# KiCad board ZSWatch-panelized.kicad_pcb (continued)
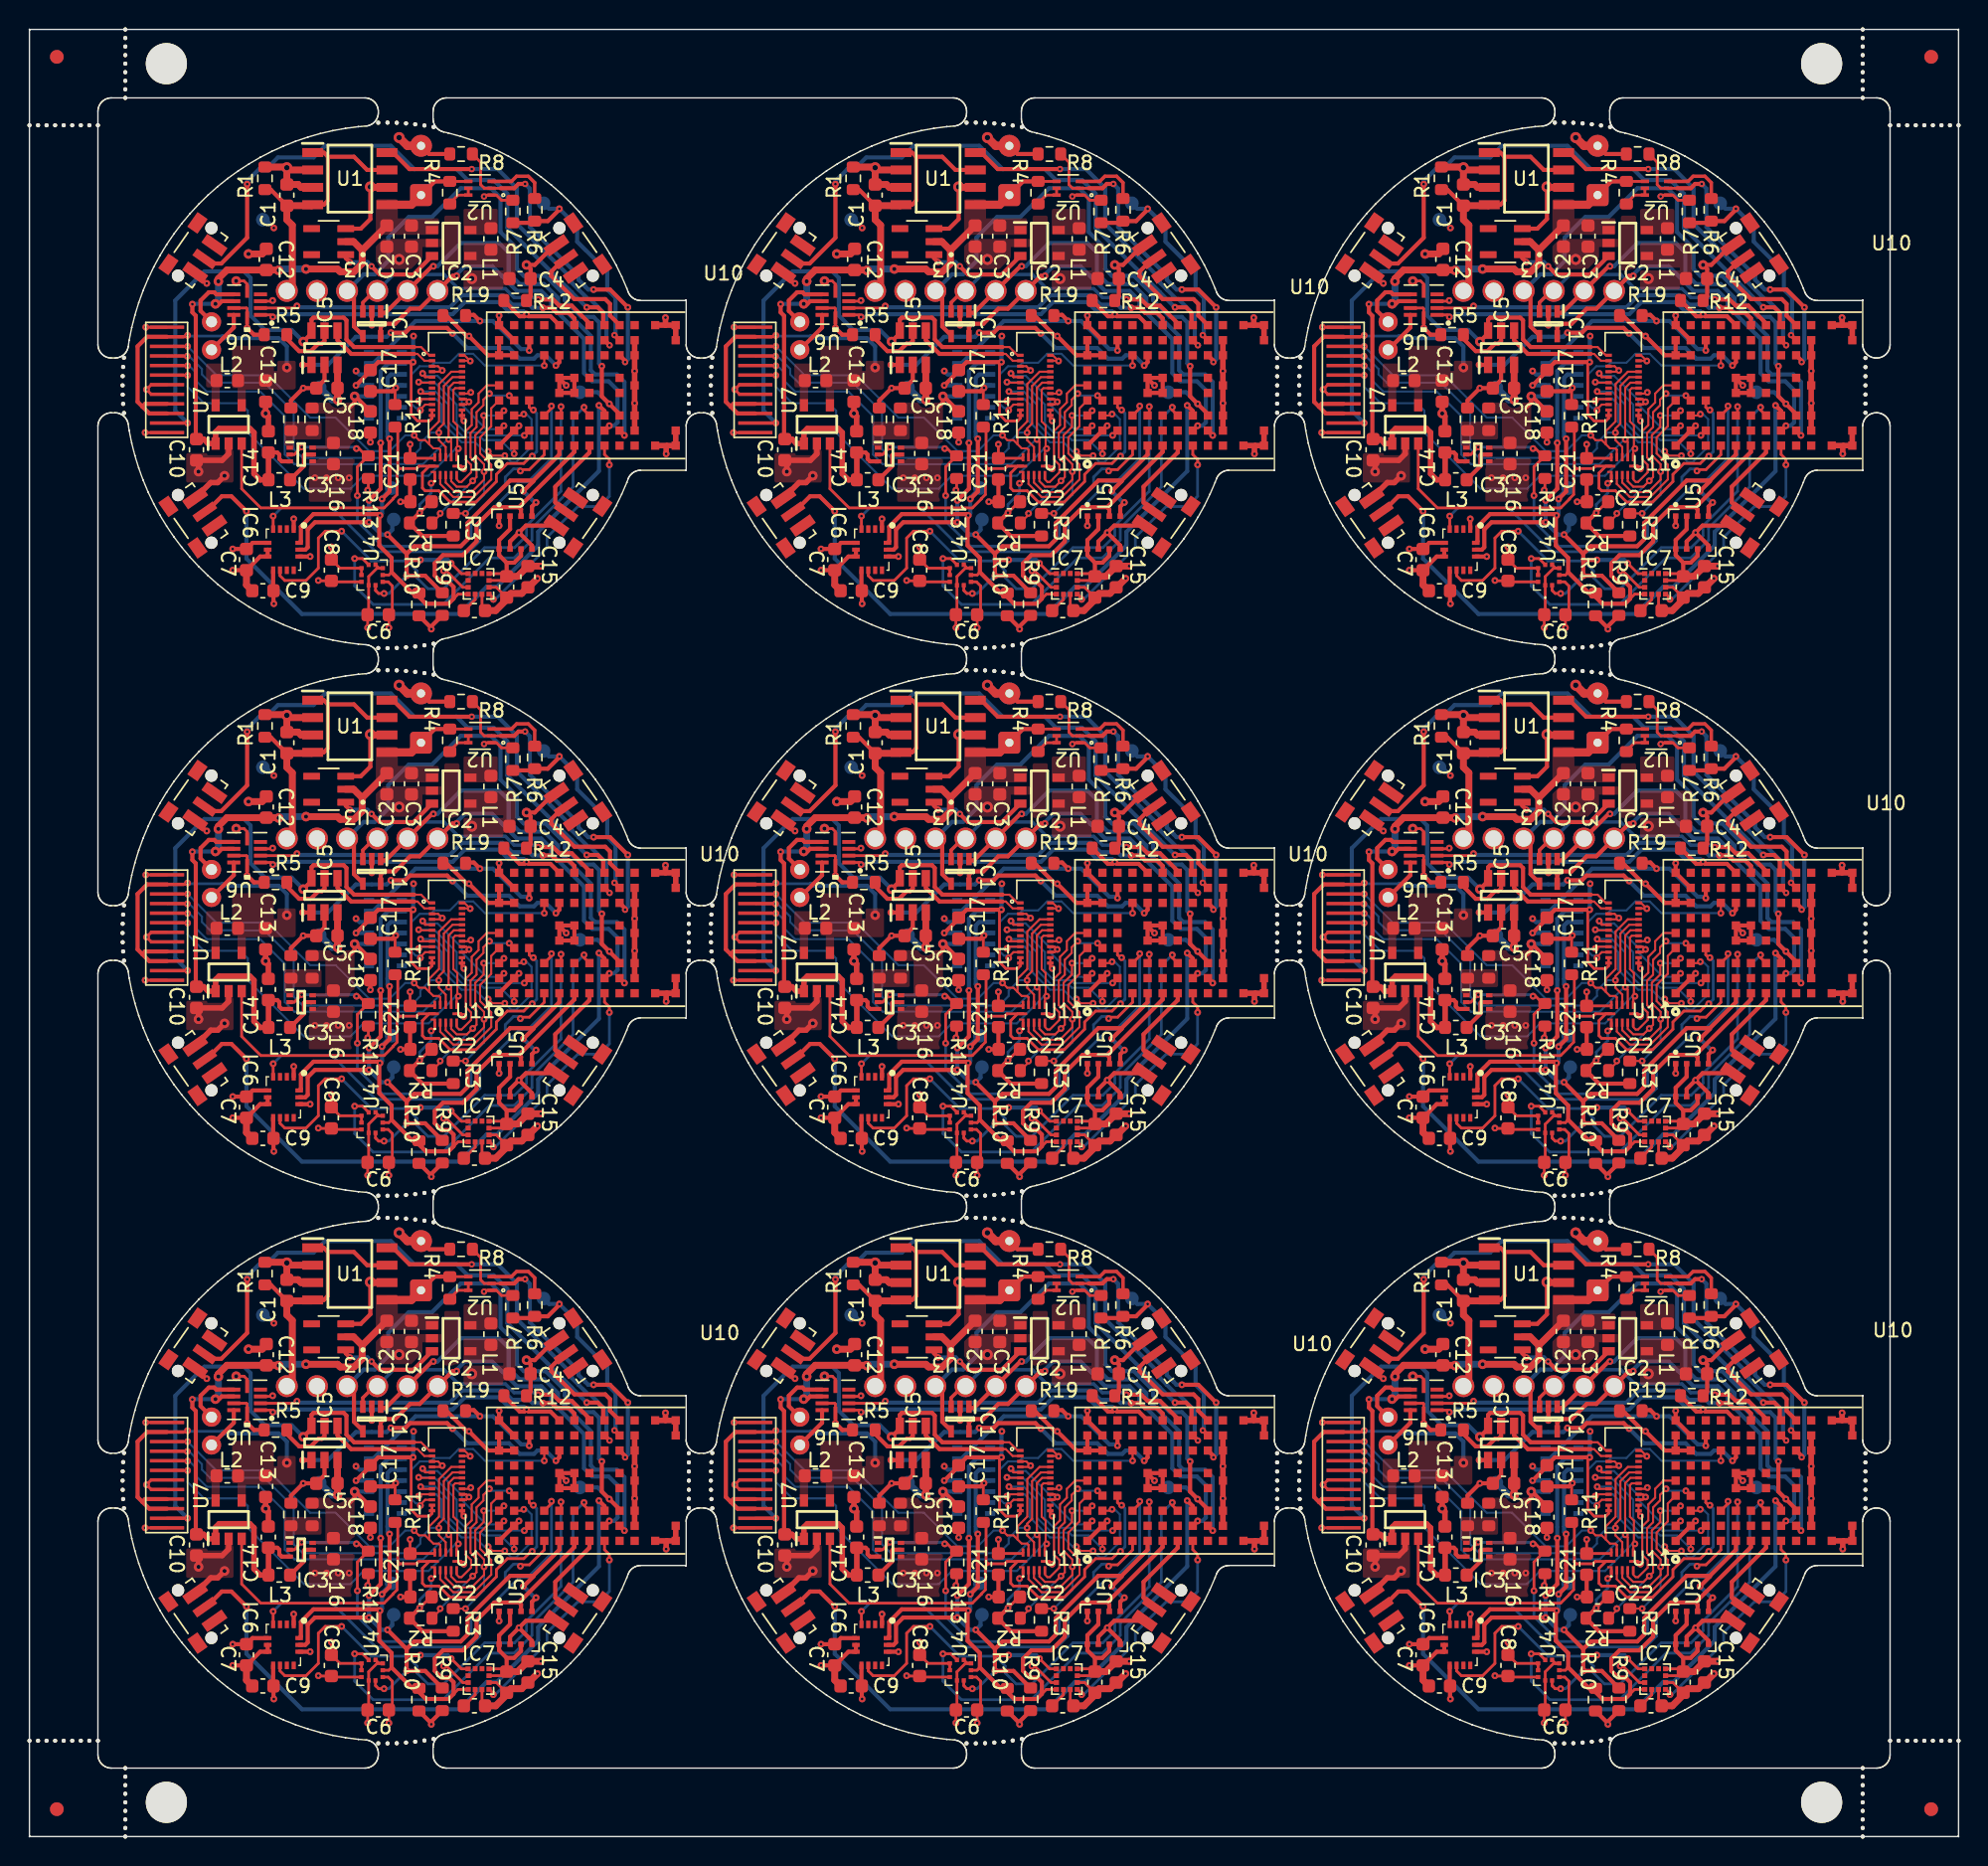
[diagram p0: board, top side]
## Routing (per net, layer and track width the routed paths; a pad name or vN(x,y) marks a point on that pad's centre or on a via; arc(x,y) is an arc through that point) (continued)
Board_3-BTN_2: length 8.8
  Top w0.3: S2.2 39.03,75.23 38.1,74.3 38.1,74 39.8,72.3 42.05,72.3 42.4,71.95 42.4,71.1 U10#8.J9
Board_3-BTN_3: length 42.5
  Top w0.3: v1(40.7,71.7) 41.5,71.7 41.9,71.3 41.9,70.5 ; v1(15.9,80.7) 15.9,76.79 14.01,74.9 13.14,74.9 S3#7.2
  Bottom w0.3: v1(40.7,71.7) 40.69,71.7 39.6,72.79 39.6,72.8 36.1,76.3 36.1,76.31 34.9,77.51 34.9,80 33.9,81 32,81 31.2,81.8 28.1,81.8 26.4,83.5 21.6,83.5 20.75,82.65 18.15,82.65 17.3,81.8 16.78,81.8 15.9,80.92 v1(15.9,80.7)
Board_3-BTN_4: length 6.3
  Top w0.3: S4#8.2 39.08,56.77 38.4,57.45 38.4,58.6 40.89,61.1 U10#8.G1
Board_3-CHG: length 25.5
  Top w0.3: v4(32.3,81.8) 27.75,81.8 26.55,83 U1#6.8 ; U10#8.H8 v4(42.37,68.93)
  Bottom w0.3: v4(32.3,81.8) 34.2,81.8 35.6,80.4 35.6,77.8 39.6,73.8 39.6,73.51 40.1,73.01 40.1,73 40.8,72.3 40.95,72.3 42.14,71.11 42.14,69.16 v4(42.37,68.93)
Board_3-DISPLAY_3V3: length 31.5
  Top w0.15: U13#5.14 U13#5.13 ; v1(32.23,65.49) 32.14,65.4 U13#5.17 ; U13#5.23 32.17,67.8 v1(32.19,67.78) 31.77,68.2 U13#5.24 ; 31.59,63.55 v1(31.73,63.41)
  Top w0.2: U12#6.11 11.45,69.55 v1(11.55,69.65) ; v1(27.8,61.7) C21#2.2 29.52,60.67 U11#9.11 ; U13#5.13 31.59,63.55
  Top w0.3: U12#6.11 8.6,69.55 7.9,68.85 7.9,64.8 8.25,64.45 ; U12#6.4 8.45,64.65 8.25,64.45 ; 8.25,64.45 8.75,63.95 U12#6.3
  Top w0.5: v3(22.5,64.95) C5#4.2 IC5#9.3
  Bottom w0.2: 14.1,69.6 11.6,69.6 v1(11.55,69.65)
  Bottom w0.3: v3(18.8,67.3) 18.8,68.85 18.2,69.45 14.25,69.45 14.1,69.6
  Bottom w0.5: TP11#3.1 22.1,64.95 v3(22.5,64.95)
Board_3-DISPLAY_BLK: length 22.5
  Top w0.3: v1(30.9,69.8) 30.5,70.2 27.8,70.2 27.45,69.85 v1(26.4,69.85) ; U10#8.E7 38.7,68.2 38.7,67.7 v1(38.45,67.45) ; IC5#9.1 v1(19.95,67.5)
  Bottom w0.3: v1(30.9,69.8) 31.97,68.73 35.02,68.73 35.8,67.95 36.85,67.95 37.1,68.2 37.7,68.2 v1(38.45,67.45) ; v1(19.95,67.5) 21.8,67.5 23.85,69.55 26.1,69.55 v1(26.4,69.85)
Board_3-DISPLAY_CLK: length 11
  Top w0.15: U10#8.B1 35.4,61.6 v1(35.4,61) ; v1(28.57,65.55) 28.72,65.4 U13#5.8
  Bottom w0.15: v1(28.57,65.55) 29.64,65.55 30.6,64.6 30.6,63.3 31.7,62.2 32.96,62.2 33.17,62 34.4,62 v1(35.4,61)
Board_3-DISPLAY_CS: length 15.9
  Top w0.15: v1(34.71,60.87) 33.81,60.87 v1(33.5,61.18) ; U10#8.B3 36,63.8 v1(36.1,63.9) ; v1(28.43,64.87) 28.56,65 U13#5.9
  Bottom w0.15: v1(36.1,63.9) 36.3,63.9 36.67,63.53 36.67,61.53 35.54,60.4 35.18,60.4 v1(34.71,60.87) ; v1(33.5,61.18) 33.22,61.18 32.55,61.85 31.56,61.85 30.1,63.31 30.1,64.6 29.7,65 28.56,65 v1(28.43,64.87)
Board_3-DISPLAY_DATA: length 11.6
  Top w0.15: v1(28.43,66.24) 28.46,66.2 U13#5.6 ; v1(36.14,62.35) U10#8.C2
  Bottom w0.15: v1(36.14,62.35) 33.31,62.35 33.11,62.55 31.85,62.55 31.2,63.2 31.2,64.6 29.56,66.24 v1(28.43,66.24)
Board_3-DISPLAY_DC: length 9.3
  Top w0.15: v1(34.65,63.05) U10#8.A2 ; U13#5.5 28.9,66.6 28.89,66.61 28.89,66.7 v1(28.71,66.87)
  Bottom w0.15: v1(28.71,66.87) 28.71,66.81 28.83,66.7 29.8,66.7 31.57,64.92 31.57,64.58 33.35,62.8 34.39,62.8 v1(34.65,63.05)
Board_3-DISPLAY_EN: length 40.3
  Top w0.2: R11#6.1 26.9,62.75 26.9,60.05 27.02,59.92 ; 27.02,59.92 26.85,59.75 26.85,58.03 26.55,57.73 26.55,57.7 25.9,57.05 16.9,57.05 15.5,58.45 U7#9.3 ; 27.02,59.92 28.26,59.92 28.44,60.1 U11#9.12 29.2,60.1 28.7,59.6 28.7,58.5 28.9,58.3 29.9,58.3 30.72,57.47 32.6,57.47 34.1,58.97 34.1,59.5 34.9,60.3 36.1,60.3 36.63,60.83 v1(36.71,60.83) ; v1(36.8,64.2) 36.7,64.2 36.49,64.4 U10#8.C4
  Bottom w0.2: v1(36.8,64.2) 37.04,63.96 37.04,61.16 v1(36.71,60.83)
Board_3-DISPLAY_RST: length 15.5
  Top w0.15: U10#8.D7 37.6,68.2 v1(37.6,67.45) ; U13#5.10 28.9,64.6 28.64,64.34 28.64,64.27 v1(28.55,64.18)
  Bottom w0.15: v1(28.55,64.18) 28.39,64.34 28.21,64.34 27.9,64.65 27.9,66.8 28.5,67.4 29.3,67.4 29.55,67.65 30.7,67.65 31.35,68.3 32.41,68.3 33.26,67.45 v1(37.6,67.45)
Board_3-DRV_VIB_EN: length 25.2
  Top w0.2: v1(17.77,71) 17.62,71.15 U6#3.1
  Top w0.3: U10#8.E9 38.04,71.05 36.45,71.05 v1(36.3,71.2) 36.15,71.05 35.8,71.05 R12#5.1
  Bottom w0.3: v1(36.3,71.2) 36.1,71.4 34.98,71.4 34.3,72.09 31.79,72.09 30.9,71.2 18.3,71.2 18.1,71 v1(17.77,71)
Board_3-DRV_VIB_PWM: length 24.6
  Top w0.2: v1(19.54,71.8) 19.39,71.65 U6#3.2
  Top w0.3: v1(37.5,71.66) 38.14,71.66 38.5,71.3 39.4,71.3 39.79,70.9 U10#8.F9
  Bottom w0.3: v1(37.5,71.66) 36.73,71.66 36.5,71.9 35.25,71.9 34.56,72.59 31.58,72.59 30.7,71.7 19.64,71.7 v1(19.54,71.8)
Board_3-GND: length 117.3
  Top w0.15: U13#5.15 31.9,64.6 v1(32.1,64.8) 31.9,65 U13#5.16 ; U13#5.4 30.05,67 v1(30.15,67.09) 29.84,67.4 U13#5.3
  Top w0.2: v1(31.72,59.9) 31.52,60.1 U11#9.6 ; R7#5.2 34.47,79.52 34.1,79.9 U2#4.1 33.3,79.9 v4(33.2,79.8) ; v1(15.9,70.2) U6#3.10 15.9,71.6 15.85,71.65 U6#3.8 ; v1(17.76,72.2) 17.71,72.15 U6#3.3 ; R13#7.2 24.75,58.4 v1(24.7,58.35) ; v1(26.25,48.3) C6#2.2 26.5,49.5 26.5,51.35 26.2,51.65 U4#6.3 ; U4#6.9 U4#6.8 22.67,52.65 C8#4.1 v1(22.05,54.2) ; U12#6.1 v1(8.45,62.55) ; 33.05,50.75 33.05,49.77 C11.2 ; R11#6.2 26.7,65.77 v1(26.75,65.82) ; U12#6.12 v1(8.5,70.25) ; U12#6.6 8.9,66.05 v1(8.55,65.7) 8.9,65.35 U12#6.5 ; U6#3.5 15.9,73.4 15.67,73.63 v3(15.1,73.63) ; C19.1 34.1,51.25 33.6,51.25
  Top w0.3: C21#2.1 27.8,57.52 C22#9.1 v1(27.1,57.5) ; IC6#2.6 IC6#2.7 16.85,53.5 C7.2 v1(14.85,52.5) ; v1(34.3,71.1) 34.29,71.1 U10#8.A9 U10#8.B8 ; v1(12.95,73.45) 12.88,73.45 S3#7.3 ; R18#3.1 19.1,64.9 v1(20,65.8) C5#4.1 21.55,66.4 IC5#9.2 ; v1(26.75,65.82) 26.5,65.57 C17#8.1 ; IC6#2.1 v1(19.3,56.25) ; v1(39.2,66) 38.69,66.5 U10#8.E5 ; 25,71.3 v1(25,70.4) ; R8#7.1 29.2,82.9 BT1#5.2 ; v1(35.75,55.25) 35.1,54.6 U5#5.7 ; v1(35.75,55.25) 36.7,54.3 U5#5.5 ; v1(35.75,55.25) 36.26,55.76 S4#8.1 ; U10#8.E5 U10#8.F5 U10#8.F4 U10#8.E4 U10#8.E5 ; S2.3 38.34,76.24 36.9,74.8 v3(36.3,74.8) 36.6,74.5 C4.2 36.6,72.5 R12#5.2 ; v1(15.9,70.2) 16.4,69.7 R5#6.1 ; C18#4.2 v1(24.9,61.85) ; v1(35.75,63.05) U10#8.B2 U10#8.A1 ; v2(24.9,80.5) 24.9,78.15 24.2,77.45 U3.3 ; U5#5.1 v1(34.3,55.75)
  Top w0.4: C13#9.2 v3(17.25,63.95) 17.45,63.75 C14#6.2 ; 46.45,70.4 v1(46.45,70.95) ; 46.45,70.4 U10#8.M9 U10#8.M8 ; 46.45,70.4 U10#8.L9 ; v3(14.25,59.4) 13.75,58.9 13.23,58.9 S1#7.1 ; 46.55,61.6 U10#8.M1 U10#8.M2 ; 46.55,61.6 U10#8.L1 ; 46.55,61.6 46.5,61.55 v1(46.5,61) ; v3(12.35,59.7) 12.35,60.52 14.07,60.52 14.55,61 U7#9.2 ; U10#8.K8 U10#8.K7 v1(44.19,67.05) U10#8.K5 44.19,64.7 v1(44.2,64.7) 44.19,64.7 U10#8.K3 U10#8.K2
  Top w0.5: v2(18.8,81.9) 18.75,81.95 R1.2 ; v2(18.8,81.9) C1#9.2 19.62,80.67 19.83,80.46 U1#6.3 ; v2(18.8,81.9) 18.96,81.73 U1#6.2 ; v1(37.1,51.9) 36.45,51.25 C15.2 35.95,50.8 35.15,50.8 C19.1 34.85,50.35 34.05,49.55 C11.2 ; v2(24.9,80.5) 24.93,80.46 U1#6.6 ; C7.2 15.85,51.42 C9#8.1 ; v3(16,75.6) 17,75.6 17.3,75.9 C12#2.1
  Top w0.6: v2(27,84.1) 27.6,83.5 BT1#5.2
  Bottom w0.3: IC4#8.4 26.93,66 v1(26.75,65.82) ; IC4#8.12 24.1,66.8 v1(23.85,67.05)
  vias: v1(20.85,59.25) v1(21.7,59.25) v1(22.55,59.25) v1(23.35,59.25) v2(27,75.2)
Board_3-INT1_LIS: length 31.2
  Top w0.2: U10#8.D3 38.12,64.32 v1(38.12,64.49) ; IC6#2.4 v1(17.8,56.45)
  Bottom w0.2: v1(38.12,64.49) 38.12,60.67 36.4,58.95 35.8,58.95 32.9,56.05 32.9,54.65 32.1,53.85 25.3,53.85 22.1,57.05 18.4,57.05 v1(17.8,56.45)
Board_3-INT2_LIS: length 36.1
  Top w0.2: v1(22.8,55.35) 21.6,55.35 21.1,54.85 21.1,52.65 20.2,51.75 18.65,51.75 18.3,52.1 IC6#2.9 ; U10#8.E3 38.82,63.92 v1(38.82,64.45)
  Bottom w0.2: v1(38.82,64.45) 38.82,58.27 36.3,55.75 36.3,55.02 35.42,54.15 33.25,54.15 30.25,51.15 29.1,51.15 28.3,51.95 28.3,52.45 27.57,53.17 24.97,53.17 v1(22.8,55.35)
Board_3-LEDK1: length 37.5
  Top w0.15: 28.1,68.8 28.6,68.8 29.2,68.2 U13#5.1
  Top w0.2: U12#6.2 v1(11.55,63.25)
  Top w0.3: v3(20,69.2) 20.6,69.8 IC5#9.6 20.6,70.8 20.75,70.95 22.95,70.95 23.15,70.75 23.15,69.35 23.7,68.8 28.1,68.8
  Bottom w0.3: v3(20,69.2) 19.15,70.05 17.2,70.05 16.15,71.1 16.15,73.85 15.67,74.33 12.77,74.33 10.65,72.2 10.65,64.15 v1(11.55,63.25)
Board_3-LEDK2: length 8.2
  Top w0.15: 28.1,68.3 28.34,68.3 28.84,67.8 U13#5.2
  Top w0.3: IC5#9.4 22.5,69.3 23.5,68.3 28.1,68.3
Board_3-LIS2MDL_INT: length 16.4
  Top w0.2: v1(33.88,50.37) 33.88,50.47 33.6,50.75 ; v1(42.35,60.2) 42.35,60.6 41.99,60.95 U10#8.H1
  Bottom w0.2: v1(42.35,60.2) 42.35,57.9 41.6,57.15 40.05,57.15 37.8,54.9 37.8,54.15 34.02,50.37 v1(33.88,50.37)
Board_3-MAX30_INT: length 15.9
  Top w0.3: v1(36.5,68.55) 36.5,69.3 U10#8.C8 ; v1(32.9,70.7) 32.45,71.15 31.85,71.15
  Bottom w0.3: IC4#8.13 25.1,67.6 28.2,70.7 v1(32.9,70.7) 33.85,70.7 35.9,68.65 36.4,68.65 v1(36.5,68.55)
Board_3-RESET_N: length 42.1
  Top w0.3: U10#8.J3 43.09,63.9 v1(42.35,64.65) 41.8,65.2 v1(41.8,67.4) ; 23.7,72.4 23.7,70.3 24.35,69.65
  Bottom w0.3: J2#7.4 24.41,74.11 25.22,74.11 26.2,75.09 26.2,76.8 27.7,78.3 29.4,78.3 31.5,80.4 33.7,80.4 34.4,79.7 34.4,77.2 35.6,76 35.6,74.5 36.1,74 37.69,74 39.1,72.59 39.1,72.21 40.31,71 41.2,71 41.6,70.6 41.6,67.6 v1(41.8,67.4) ; v1(42.35,64.65) 41.5,65.5 TP12#9.1
Board_3-SCL_ANNA: length 56.6
  Top w0.2: v1(30.8,53) 31.55,52.25 32,52.25 ; U4#6.2 25.27,51.02 25.5,50.8 v1(25.9,50.8)
  Top w0.3: v1(25.65,61.8) 25.65,58.45 v1(24.8,57.6) ; 36.8,59.05 38.69,60.95 U10#8.E1 ; 36.8,59.05 36.8,59 v1(36.07,58.27) ; 36.8,59.05 35.1,59.05 32,55.95 32,54.76 31.49,54.25 28.1,54.25 27.55,53.7 ; 27.55,53.25 v1(27.55,52.1) 28.9,52.1 R9#5.1 ; 27.55,53.25 27.55,53.7 ; 27.55,53.25 28.55,53.25 v1(28.55,53.25) ; v1(37,57.45) 36.7,57.15 U5#5.4 ; 27.55,53.7 v1(26.15,55.1) ; v1(24.8,56) 20.85,56 20.32,55.47 20.32,54.17 20.15,54 IC6#2.13
  Bottom w0.2: v1(25.9,50.8) 26.25,50.8 v1(27.55,52.1)
  Bottom w0.3: v1(36.07,58.27) 36.9,57.45 v1(37,57.45) ; IC4#8.2 26.2,67.6 25.65,67.05 v1(25.65,61.8) ; v1(28.55,53.25) 30.55,53.25 v1(30.8,53) ; 26.5,56.2 26.5,55.45 v1(26.15,55.1) 25.7,55.1 v1(24.8,56) v1(24.8,57.6)
Board_3-SDA_ANNA: length 51.2
  Top w0.2: 26.45,52.35 26.25,52.15 U4#6.4 ; 30.97,50.42 31.3,50.75 32,50.75
  Top w0.3: 35.75,57.1 39.79,61.15 U10#8.F1 ; 35.75,57.1 33.95,57.1 32.65,55.8 32.65,54.6 31.65,53.6 30.2,53.6 29.6,53 29.6,52.11 30.1,51.6 30.65,51.6 30.97,51.28 30.97,50.42 30.6,50.05 28.95,50.05 28.45,50.55 R10#7.1 27.97,50.82 26.45,52.35 26.45,53.4 25.55,54.3 25.55,56.45 v1(25.6,56.5) 25.5,56.6 20.74,56.6 19.82,55.68 19.82,54.62 IC6#2.14 ; 35.75,57.1 35.9,56.95 U5#5.3 ; v1(26.3,62.1) 26.3,58.25 v1(25.75,57.7)
  Bottom w0.3: v1(26.3,62.1) 26.15,62.25 26.15,66.55 26.4,66.8 IC4#8.3 ; TP10#9.1 25.75,57.8 v1(25.75,57.7) 25.75,56.65 v1(25.6,56.5)
Board_3-SWDCLK: length 31.1
  Top w0.3: v1(29.5,74.7) 29.4,74.7 J2#7.2 26,71.3 25.65,71.3 ; v1(43.45,62.35) U10#8.J2
  Bottom w0.3: v1(29.5,74.7) 29.8,74.7 31.5,76.4 34.3,76.4 35,75.7 35,74.2 35.8,73.4 37.58,73.4 38.6,72.39 38.6,72.01 41,69.61 41,67.1 41.3,66.8 42.9,66.8 43.45,66.25 v1(43.45,62.35)
Board_3-SWDIO: length 28.9
  Top w0.3: 25.65,69.5 25.65,70.25 25.9,70.5 26.7,70.5 27.8,71.6 28.5,71.6 J2#7.1 30.9,74 v1(31.2,74) ; v1(42.35,63.05) U10#8.H2
  Bottom w0.3: v1(31.2,74) 31.2,74.1 31.8,74.7 33.8,74.7 34.5,74 34.5,73.99 35.59,72.9 37.38,72.9 38.1,72.18 38.1,71.8 40.5,69.4 40.5,66.89 41.09,66.3 42.3,66.3 42.95,65.65 42.95,63.3 42.7,63.05 v1(42.35,63.05)
Board_3-TOUCH_INT: length 12
  Top w0.15: U11#9.2 30,58.8 30.95,57.85 32.44,57.85 33.72,59.13 33.72,60.21 32.91,61.02 32.91,62.2 33.72,63.02 33.72,64.32 U10#8.A4
Board_3-TOUCH_RST: length 9.5
  Top w0.15: 31.2,59.13 31.38,58.95 31.55,58.95 32.25,59.64 32.25,60.2 31.86,60.59 31.86,62.66 32.3,63.1 32.3,64.26 32.8,64.76 32.8,65.4 33.4,66 U10#8.A5
Board_3-TOUCH_SCL: length 15.9
  Top w0.15: U11#9.3 30.4,58.9 31.1,58.2 32.29,58.2 33.2,59.11 v1(33.2,59.7) 33.2,60.24 32.56,60.88 32.56,62.36 33.17,62.97 v1(33.17,63.8) ; v1(31.85,56.65) R3#4.1 ; v1(34.65,64.15) U10#8.A3
  Bottom w0.15: v1(34.65,64.15) U10#8.A3 v1(33.17,63.8) ; v1(33.2,59.7) 33.2,58 v1(31.85,56.65)
Board_3-TOUCH_SDA: length 15.9
  Top w0.15: v1(35.04,65.25) U10#8.B4 ; v1(30,56.65) 30,56.55 R2#5.1 ; U11#9.4 30.8,59 31.2,58.6 31.95,58.6 31.95,58.6 v1(32.37,59.03) 32.37,59.03 32.65,59.3 32.65,60.29 32.21,60.73 32.21,62.51 32.65,62.95 32.65,64.04 33.15,64.55 33.15,64.96 v1(33.59,65.4)
  Bottom w0.15: v1(33.59,65.4) 33.74,65.25 v1(35.04,65.25) ; v1(32.37,59.03) 30,56.65 v1(30,56.65)
Board_3-UART_TX: length 19.7
  Top w0.25: IC1#9.3 24.35,72.05 25.2,72.9 J2#7.3
  Top w0.3: v1(37.15,72.27) 38.23,72.27 38.68,71.82 39.6,71.82 40.89,70.53 U10#8.G9
  Bottom w0.25: J2#7.3 26.6,74.1 30.28,74.1 31.32,73.06 34.76,73.06 35.4,72.42 37.01,72.42 v1(37.15,72.27)
Board_3-V_BAT: length 51.5
  Top w0.2: U2#4.4 R4#9.1
  Top w0.3: v3(13.58,71.95) 13.85,71.95 14.05,72.15 U6#3.7 ; v1(11.9,71.93) 11.9,71.33 12.15,71.08 12.15,62.27 12.35,62.07 12.4,62.12 ; BT1#5.1 29.6,80.9 R4#9.1 ; C14#6.1 18.1,61.1 18.25,60.95 18.25,60.62 18.42,60.45 IC3#2.3
  Top w0.4: 12.35,62.07 12.72,62.07 13.05,61.75 U7#9.1 13.6,62.6 13.85,62.85 16.1,62.85 16.4,62.55 16.4,59.55 16.85,59.1 L3#5.1 17.46,61.09 C14#6.1
  Top w0.5: v3(18.2,74.4) 18.17,74.42 C12#2.2 14.42,74.42 13.8,73.8 v3(13.8,73.6) ; U3.2 23.67,76.5 24.3,75.87 ; C2#7.2 24.3,75.87 ; 24.3,75.87 24.3,74.9 23.7,74.3 22.7,74.3 22.5,74.5 v3(20.2,74.5)
  Top w0.6: BT1#5.1 27.89,79.19 U1#6.5
  Bottom w0.3: v1(11.9,71.93) 11.92,71.95 v3(13.58,71.95)
  Bottom w0.5: v3(18.2,74.4) 18.3,74.5 v3(20.2,74.5) ; v3(13.8,73.6) 13.8,72.17 v3(13.58,71.95)
Board_3-VBUS: length 20.9
  Top w0.3: U1#6.1 21.49,83 21.8,82.7 ; R1.1 17.62,80.3 C1#9.1 ; U1#6.7 24.66,81.73 23.7,82.7 21.8,82.7 ; 21.8,82.7 21.8,79.5 21.49,79.19 U1#6.4
  Top w0.5: J2#7.6 19.2,73.3 19.2,77.7 18.8,78.1 C1#9.1 20.62,79.12 U1#6.4
Board_4-5V_REG_EN: length 30.3
  Top w0.2: v4(62.84,61.49) 62.3,60.95 IC3#4.2 ; v1(78.81,59.75) 78.91,59.85 79.47,59.85 80.55,60.93 U10#7.D1 ; v1(66.91,57.95) 66.91,60.05 R13#8.1 ; v1(66.84,61.38) 67.02,61.38 67.61,60.8
  Bottom w0.2: v1(78.81,59.75) 78.66,59.9 78.31,59.9 77.71,59.3 77.71,58.7 75.21,56.2 75.21,54.95 74.51,54.25 68.73,54.25 66.91,56.07 v1(66.91,57.95) ; v4(62.84,61.49) 66.73,61.49 v1(66.84,61.38)
Board_4-+1V8: length 64
  Top w0.2: v1(64.06,51.75) 64.08,51.72 C8#9.2 65.08,51.65 U4#4.10 ; v1(70.98,67.7) 70.84,67.56 70.84,63.87 71.31,63.4 72.16,63.4 72.36,63.6 U13#4.12 72.36,64.18 ; 74.96,51.25 74.61,51.25 73.41,52.45 v1(73.21,52.45) ; C22#8.2 72.26,57.5 v1(71.46,56.7) ; v1(72.3,58.85) 72.41,58.85 72.56,59 U11#3.1 ; U4#4.6 68.48,52.65 U4#4.5 68.34,52.65 67.73,52.04 U4#4.1 67.73,49.32 C6#3.1 v1(67.66,48.3) ; 76.56,52.25 77.61,52.25 C19#9.2 77.51,51.75 76.56,51.75
  Top w0.3: IC6.5 59.26,54.5 C7#6.1 v1(57.81,54.05) ; R9#2.2 72.31,48.4 v1(72.31,48.2) 72.31,48.27 R10#5.2 ; v1(66.81,66) 67.86,67.05 C17#7.2 68.43,67.7 v1(70.98,67.7) ; v1(60.81,50.05) 60.78,50.07 C9#6.2 60.76,51.02 IC6.8 ; U10#7.A7 76.46,68.2 v1(75.06,69.6) 74.91,69.6 73.41,71.1 R19#4.1 73.41,71.1 ; U10#7.A7 U10#7.B7 ; U10#7.A7 U10#7.A8 ; U5#2.6 78.86,53.55 78.36,53.05 77.81,53.05 ; IC6.12 v1(63.46,53.5) ; R3#7.2 71.66,55 R2#2.2 v1(71.46,56.7) ; U5#2.2 78.06,55.5 77.26,54.7 U5#2.8 77.26,53.6 77.81,53.05 ; 77.81,53.05 C19#9.2
  Top w0.5: C19#9.2 78.61,52.05 C15#7.1 v1(80.31,52.8)
  Bottom w0.2: v1(72.3,58.85) 72.3,58.14 71.46,57.3 v1(71.46,56.7)
  Bottom w0.3: v1(60.81,77.5) 60.21,78.1 TP8#9.1 ; v1(66.81,66) IC4#7.11 ; v1(70.98,67.7) 70.98,69.57 v1(71.01,69.6)
  vias: v2(75.26,73.8)
Board_4-+5V: length 5
  Top w0.3: C18#6.1 66.76,65.2 v3(66.71,65.2) 66.71,64.75 66.36,64.4
  Bottom w0.3: IC4#7.10 v3(66.71,65.2) 67.51,64.4 IC4#7.9
Board_4-/C1: length 1.6
  Top w0.2: C11#5.1 74.71,49.55 75.51,50.35 75.51,50.75
Board_4-/D2: length 4.7
  Top w0.25: R6#6.1 79.86,80.81 79.39,81.28 78.53,81.28 78.16,80.9 U2#7.3
Board_4-/G2: length 2.2
  Top w0.2: R4#2.2 73.66,79.3 74.26,79.9 U2#7.6 U2#7.5
Board_4-/ISET: length 4.5
  Top w0.3: IC5#7.5 64.51,69.25 64.31,69.05 64.06,69.05 63.51,68.5 62.66,68.5 61.76,69.4 R5#8.2
Board_4-/MOTOR_OUT+: length 3.2
  Top w0.3: M1#2.1 57.88,70.22 U6#5.9
Board_4-/MOTOR_OUT-: length 4.6
  Top w0.3: U6#5.6 56.61,72.65 56.46,72.8 56.06,72.8 55.46,72.2 55.46,71.44 M1#2.2
Board_4-/SW: length 2.9
  Top w0.3: IC3#4.5 63.06,60.95 63.01,60.9 63.01,60.11 L3#2.2
Board_4-/TOUCH_HIGH_INT-DC: length 31.4
  Top w0.15: U13#4.21 73.76,67 72.87,66.1 72.87,63.37 72.16,62.66 72.16,61.7 ; v1(71.06,62.35) 71.41,62 71.86,62 72.16,61.7 ; 72.16,61.7 72.46,61.4 72.86,61.4 72.96,61.3 ; v1(54.51,68.85) U12#3.10 ; 72.96,61.3 U11#3.10 ; 72.96,61.3 72.93,61.32
  Bottom w0.15: v1(54.51,68.85) 54.51,68.85 56.61,66.75 60.36,66.75 63.46,63.65 65.32,63.65 67.77,61.2 69.26,61.2 70.41,62.35 v1(71.06,62.35)
Board_4-/TOUCH_HIGH_RST-SDA: length 33
  Top w0.15: U13#4.18 74.05,65.8 73.92,65.67 73.92,63.36 74.21,63.07 74.21,61.46 ; U11#3.7 74.16,61.26 v1(74.28,61.38) ; 54.49,66.75 U12#3.7
  Bottom w0.15: v1(74.28,61.38) 74.09,61.38 72.11,59.4 67.36,59.4 66.41,58.45 63.01,58.45 58.91,62.55 58.91,64.15 58.36,64.7 55.71,64.7 54.51,65.9 v1(54.51,66.73)
Board_4-/TOUCH_HIGH_SCL-CS: length 32.9
  Top w0.15: U11#3.9 73.36,61.5 72.86,62 v1(72.86,62.55) 72.86,62.85 73.22,63.21 73.22,65.96 73.86,66.6 U13#4.20 ; U12#3.9 53.03,68.13 v1(54.49,68.13)
  Bottom w0.15: v1(72.86,62.55) 72.26,62.55 71.51,61.79 71.51,61.4 70.81,60.7 62.91,60.7 62.26,61.35 62.26,64.05 60.11,66.2 56.16,66.2 55.56,66.8 55.56,67.2 54.63,68.13 v1(54.49,68.13)
Board_4-/TOUCH_HIGH_SDA-SCL: length 32.6
  Top w0.15: v1(54.51,67.43) 54.49,67.45 U12#3.8 ; U11#3.8 73.76,61.87 v1(73.58,62.05) 73.57,62.06 73.57,65.81 73.95,66.2 U13#4.19
  Bottom w0.15: v1(54.51,67.43) 54.63,67.43 55.11,66.95 55.11,66.35 55.91,65.55 59.81,65.55 61.61,63.75 61.61,60.95 62.31,60.25 71.71,60.25 73.5,62.05 v1(73.58,62.05)
Board_4-/~{RESET_BAT_SUP}: length 7.6
  Top w0.3: IC2#6.3 71.01,74.1 68.54,74.1 v4(67.94,74.7) ; v4(66.36,75) 66.06,75.3 U3#9.1
  Bottom w0.3: v4(66.36,75) 67.64,75 v4(67.94,74.7)
Board_4-BAT_MON: length 16.5
  Top w0.3: v4(85.68,69.67) U10#7.J8 ; R6#6.2 80.81,78 81.66,78.85 v1(81.66,78.9) ; R7#2.1 79.73,77.87
  Bottom w0.3: v4(85.68,69.67) 85.76,69.75 85.76,72.4 85.16,73 85.16,74.3 82.96,76.5 82.96,77.6 v1(81.66,78.9) 80.91,78.9 TP3#8.1
Board_4-BAT_MON_EN: length 23.8
  Top w0.2: R8.2 75.91,82.3 75.91,80.67 76.18,80.4 U2#7.2 77.36,80.4
  Top w0.3: v1(86.66,71.7) 85.36,73 v1(84.16,73) ; 77.36,80.4 78.36,80.4 78.67,80.72 v4(79.16,80.72) ; U10#7.J7 86.46,67.8 v4(86.46,67.7)
  Bottom w0.3: v4(86.46,67.7) 86.66,67.9 v1(86.66,71.7) ; v1(84.16,73) 83.76,73 83.56,73.21 83.56,73.21 83.06,73.71 83.06,74.01 79.5,77.56 79.5,80.37 v4(79.16,80.72)
Board_4-BMP581_INT: length 30.7
  Top w0.2: U4#4.7 67.28,53.35 v1(66.71,53.35) ; v1(83.46,64.4) 83.46,64.2 U10#7.G3
  Bottom w0.2: v1(83.46,64.4) 82.66,63.6 82.66,58.58 79.66,55.58 79.66,54.7 78.36,53.4 76.56,53.4 73.16,50 68.06,50 66.71,51.35 v1(66.71,53.35)
Board_4-BTN_1: length 45.4
  Top w0.3: v1(58.81,56.8) 57.71,57.9 57.01,57.9 55.87,56.77 S1#3.2 ; v1(84.55,64.54) 84.95,64.13 U10#7.H3
  Bottom w0.3: v1(84.55,64.54) 84.55,59.74 80.11,55.3 80.11,54.3 77.11,51.3 76.36,51.3 74.36,49.3 62.86,49.3 58.81,53.35 v1(58.81,56.8)
Board_4-BTN_2: length 8.8
  Top w0.3: U10#7.J9 85.36,71.1 85.36,71.95 85.01,72.3 82.76,72.3 81.06,74 81.06,74.3 81.99,75.23 S2#5.2
Board_4-BTN_3: length 42.5
  Top w0.3: v1(58.86,80.7) 58.86,76.79 56.97,74.9 56.1,74.9 S3#2.2 ; 84.86,70.5 84.86,71.3 84.46,71.7 v1(83.66,71.7)
  Bottom w0.3: v1(83.66,71.7) 83.65,71.7 82.56,72.79 82.56,72.8 79.06,76.3 79.06,76.31 77.86,77.51 77.86,80 76.86,81 74.96,81 74.16,81.8 71.06,81.8 69.36,83.5 64.56,83.5 63.71,82.65 61.11,82.65 60.26,81.8 59.74,81.8 58.86,80.92 v1(58.86,80.7)
Board_4-BTN_4: length 6.3
  Top w0.3: S4#2.2 82.04,56.77 81.36,57.45 81.36,58.6 83.85,61.1 U10#7.G1
Board_4-CHG: length 25.5
  Top w0.3: U10#7.H8 v4(85.33,68.93) ; v4(75.26,81.8) 70.71,81.8 69.51,83 U1#7.8
  Bottom w0.3: v4(85.33,68.93) 85.1,69.16 85.1,71.11 83.91,72.3 83.76,72.3 83.06,73 83.06,73.01 82.56,73.51 82.56,73.8 78.56,77.8 78.56,80.4 77.16,81.8 v4(75.26,81.8)
Board_4-DISPLAY_3V3: length 31.5
  Top w0.15: U13#4.24 74.73,68.2 v1(75.15,67.78) 75.13,67.8 U13#4.23 ; U13#4.17 75.1,65.4 v1(75.19,65.49) ; 74.55,63.55 v1(74.69,63.41) ; U13#4.14 U13#4.13
  Top w0.2: U13#4.13 74.55,63.55 ; U12#3.11 54.41,69.55 v1(54.51,69.65) ; v1(70.76,61.7) C21#9.2 72.48,60.67 U11#3.11
  Top w0.3: U12#3.3 51.71,63.95 51.21,64.45 ; 51.21,64.45 51.41,64.65 U12#3.4 ; 51.21,64.45 50.86,64.8 50.86,68.85 51.56,69.55 U12#3.11
  Top w0.5: v3(65.46,64.95) C5#7.2 IC5#7.3
  Bottom w0.2: v1(54.51,69.65) 54.56,69.6 57.06,69.6
  Bottom w0.3: 57.06,69.6 57.21,69.45 61.16,69.45 61.76,68.85 v3(61.76,67.3)
  Bottom w0.5: v3(65.46,64.95) 65.06,64.95 TP11#5.1
Board_4-DISPLAY_BLK: length 22.5
  Top w0.3: v1(73.86,69.8) 73.46,70.2 70.76,70.2 70.41,69.85 v1(69.36,69.85) ; IC5#7.1 v1(62.91,67.5) ; v1(81.41,67.45) 81.66,67.7 81.66,68.2 U10#7.E7
  Bottom w0.3: v1(62.91,67.5) 64.76,67.5 66.81,69.55 69.06,69.55 v1(69.36,69.85) ; v1(73.86,69.8) 74.93,68.73 77.98,68.73 78.76,67.95 79.81,67.95 80.06,68.2 80.66,68.2 v1(81.41,67.45)
Board_4-DISPLAY_CLK: length 11
  Top w0.15: v1(71.53,65.55) 71.68,65.4 U13#4.8 ; v1(78.36,61) 78.36,61.6 U10#7.B1
  Bottom w0.15: v1(78.36,61) 77.36,62 76.13,62 75.92,62.2 74.66,62.2 73.56,63.3 73.56,64.6 72.6,65.55 v1(71.53,65.55)
Board_4-DISPLAY_CS: length 15.9
  Top w0.15: v1(77.67,60.87) 76.77,60.87 v1(76.46,61.18) ; v1(79.06,63.9) 78.96,63.8 U10#7.B3 ; v1(71.39,64.87) 71.52,65 U13#4.9
  Bottom w0.15: v1(77.67,60.87) 78.14,60.4 78.5,60.4 79.63,61.53 79.63,63.53 79.26,63.9 v1(79.06,63.9) ; v1(71.39,64.87) 71.52,65 72.66,65 73.06,64.6 73.06,63.31 74.52,61.85 75.51,61.85 76.18,61.18 v1(76.46,61.18)
Board_4-DISPLAY_DATA: length 11.6
  Top w0.15: U13#4.6 71.42,66.2 v1(71.38,66.24) ; v1(79.1,62.35) U10#7.C2
  Bottom w0.15: v1(71.38,66.24) 72.52,66.24 74.16,64.6 74.16,63.2 74.81,62.55 76.07,62.55 76.27,62.35 v1(79.1,62.35)
Board_4-DISPLAY_DC: length 9.3
  Top w0.15: v1(77.61,63.05) U10#7.A2 ; v1(71.67,66.87) 71.85,66.7 71.85,66.61 71.86,66.6 U13#4.5
  Bottom w0.15: v1(71.67,66.87) 71.67,66.81 71.79,66.7 72.76,66.7 74.53,64.92 74.53,64.58 76.31,62.8 77.35,62.8 v1(77.61,63.05)
Board_4-DISPLAY_EN: length 40.3
  Top w0.2: v1(79.67,60.83) 79.59,60.83 79.06,60.3 77.86,60.3 77.06,59.5 77.06,58.97 75.56,57.47 73.68,57.47 72.86,58.3 71.86,58.3 71.66,58.5 71.66,59.6 72.16,60.1 U11#3.12 71.4,60.1 71.22,59.92 69.98,59.92 ; 69.98,59.92 69.81,59.75 69.81,58.03 69.51,57.73 69.51,57.7 68.86,57.05 59.86,57.05 58.46,58.45 U7#6.3 ; 69.98,59.92 69.86,60.05 69.86,62.75 R11#5.1 ; v1(79.76,64.2) 79.66,64.2 79.45,64.4 U10#7.C4
  Bottom w0.2: v1(79.76,64.2) 80,63.96 80,61.16 v1(79.67,60.83)
Board_4-DISPLAY_RST: length 15.5
  Top w0.15: U10#7.D7 80.56,68.2 v1(80.56,67.45) ; v1(71.51,64.18) 71.6,64.27 71.6,64.34 71.86,64.6 U13#4.10
  Bottom w0.15: v1(80.56,67.45) 76.22,67.45 75.36,68.3 74.31,68.3 73.66,67.65 72.51,67.65 72.26,67.4 71.46,67.4 70.86,66.8 70.86,64.65 71.17,64.34 71.35,64.34 v1(71.51,64.18)
Board_4-DRV_VIB_EN: length 25.2
  Top w0.2: v1(60.73,71) 60.58,71.15 U6#5.1
  Top w0.3: U10#7.E9 81,71.05 79.41,71.05 v1(79.26,71.2) 79.11,71.05 78.76,71.05 R12#3.1
  Bottom w0.3: v1(79.26,71.2) 79.06,71.4 77.94,71.4 77.26,72.09 74.75,72.09 73.86,71.2 61.26,71.2 61.06,71 v1(60.73,71)
Board_4-DRV_VIB_PWM: length 24.6
  Top w0.2: v1(62.5,71.8) 62.35,71.65 U6#5.2
  Top w0.3: v1(80.46,71.66) 81.1,71.66 81.46,71.3 82.36,71.3 82.75,70.9 U10#7.F9
  Bottom w0.3: v1(80.46,71.66) 79.69,71.66 79.46,71.9 78.21,71.9 77.52,72.59 74.54,72.59 73.66,71.7 62.6,71.7 v1(62.5,71.8)
Board_4-GND: length 117.3
  Top w0.15: U13#4.4 73.01,67 v1(73.11,67.09) 72.8,67.4 U13#4.3 ; U13#4.15 74.86,64.6 v1(75.06,64.8) 74.86,65 U13#4.16
  Top w0.2: U12#3.5 51.86,65.35 v1(51.51,65.7) 51.86,66.05 U12#3.6 ; U12#3.12 v1(51.46,70.25) ; v1(60.72,72.2) 60.67,72.15 U6#5.3 ; U4#4.3 69.16,51.65 69.46,51.35 69.46,49.5 C6#3.2 v1(69.21,48.3) ; v1(74.68,59.9) 74.48,60.1 U11#3.6 ; 76.56,51.25 77.06,51.25 C19#9.1 ; v1(65.01,54.2) C8#9.1 65.63,52.65 U4#4.8 U4#4.9 ; U6#5.8 58.81,71.65 58.86,71.6 U6#5.10 v1(58.86,70.2) ; R11#5.2 69.66,65.77 v1(69.71,65.82) ; v1(67.66,58.35) 67.71,58.4 R13#8.2 ; U12#3.1 v1(51.41,62.55) ; v4(76.16,79.8) 76.26,79.9 U2#7.1 77.06,79.9 77.43,79.52 R7#2.2 ; C11#5.2 76.01,49.77 76.01,50.75 ; U6#5.5 58.86,73.4 58.63,73.63 v3(58.06,73.63)
  Top w0.3: IC6.1 v1(62.26,56.25) ; v1(57.81,52.5) C7#6.2 59.81,53.5 IC6.7 IC6.6 ; 67.96,71.3 v1(67.96,70.4) ; v1(55.91,73.45) 55.84,73.45 S3#2.3 ; U10#7.E5 U10#7.E4 U10#7.F4 U10#7.F5 U10#7.E5 ; U10#7.E5 81.65,66.5 v1(82.16,66) ; R18#2.1 62.06,64.9 v1(62.96,65.8) C5#7.1 64.51,66.4 IC5#7.2 ; v1(69.71,65.82) 69.46,65.57 C17#7.1 ; R12#3.2 79.56,72.5 C4#4.2 79.56,74.5 v3(79.26,74.8) 79.86,74.8 81.3,76.24 S2#5.3 ; U5#2.5 79.66,54.3 v1(78.71,55.25) ; U5#2.1 v1(77.26,55.75) ; v2(67.86,80.5) 67.86,78.15 67.16,77.45 U3#9.3 ; U10#7.B8 U10#7.A9 77.25,71.1 v1(77.26,71.1) ; S4#2.1 79.22,55.76 v1(78.71,55.25) ; v1(70.06,57.5) C22#8.1 70.76,57.52 C21#9.1 ; v1(78.71,55.25) 78.06,54.6 U5#2.7 ; R5#8.1 59.36,69.7 v1(58.86,70.2) ; R8.1 72.16,82.9 BT1.2 ; v1(78.71,63.05) U10#7.B2 U10#7.A1 ; C18#6.2 v1(67.86,61.85)
  Top w0.4: v3(55.31,59.7) 55.31,60.52 57.03,60.52 57.51,61 U7#6.2 ; U10#7.K8 U10#7.K7 v1(87.15,67.05) U10#7.K5 87.15,64.7 v1(87.16,64.7) 87.15,64.7 U10#7.K3 U10#7.K2 ; v3(57.21,59.4) 56.71,58.9 56.19,58.9 S1#3.1 ; C13#7.2 v3(60.21,63.95) 60.41,63.75 C14#5.2 ; 89.51,61.6 U10#7.M1 U10#7.M2 ; 89.51,61.6 U10#7.L1 ; 89.51,61.6 89.46,61.55 v1(89.46,61) ; 89.41,70.4 v1(89.41,70.95) ; 89.41,70.4 U10#7.L9 ; 89.41,70.4 U10#7.M9 U10#7.M8
  Top w0.5: v2(61.76,81.9) C1#2.2 62.58,80.67 62.79,80.46 U1#7.3 ; v2(61.76,81.9) 61.92,81.73 U1#7.2 ; v2(61.76,81.9) 61.71,81.95 R1#4.2 ; v2(67.86,80.5) 67.89,80.46 U1#7.6 ; C12#5.1 60.26,75.9 59.96,75.6 v3(58.96,75.6) ; C11#5.2 77.01,49.55 77.81,50.35 C19#9.1 78.11,50.8 78.91,50.8 C15#7.2 79.41,51.25 v1(80.06,51.9) ; C9#6.1 58.81,51.42 C7#6.2
  Top w0.6: BT1.2 70.56,83.5 v2(69.96,84.1)
  Bottom w0.3: IC4#7.12 67.06,66.8 v1(66.81,67.05) ; IC4#7.4 69.89,66 v1(69.71,65.82)
  vias: v1(63.81,59.25) v1(64.66,59.25) v1(65.51,59.25) v1(66.31,59.25) v2(69.96,75.2)
